# Altium PCB IOT.PcbDoc
Units mil, origin at the board's own origin, x right, y up, seen from the top; angles counter-clockwise.
Board outline 2865.03 x 2170.03 mil, 2 copper layers (Top Layer, Bottom Layer); 76 components, 25 nets, 392 pads, 76 vias.
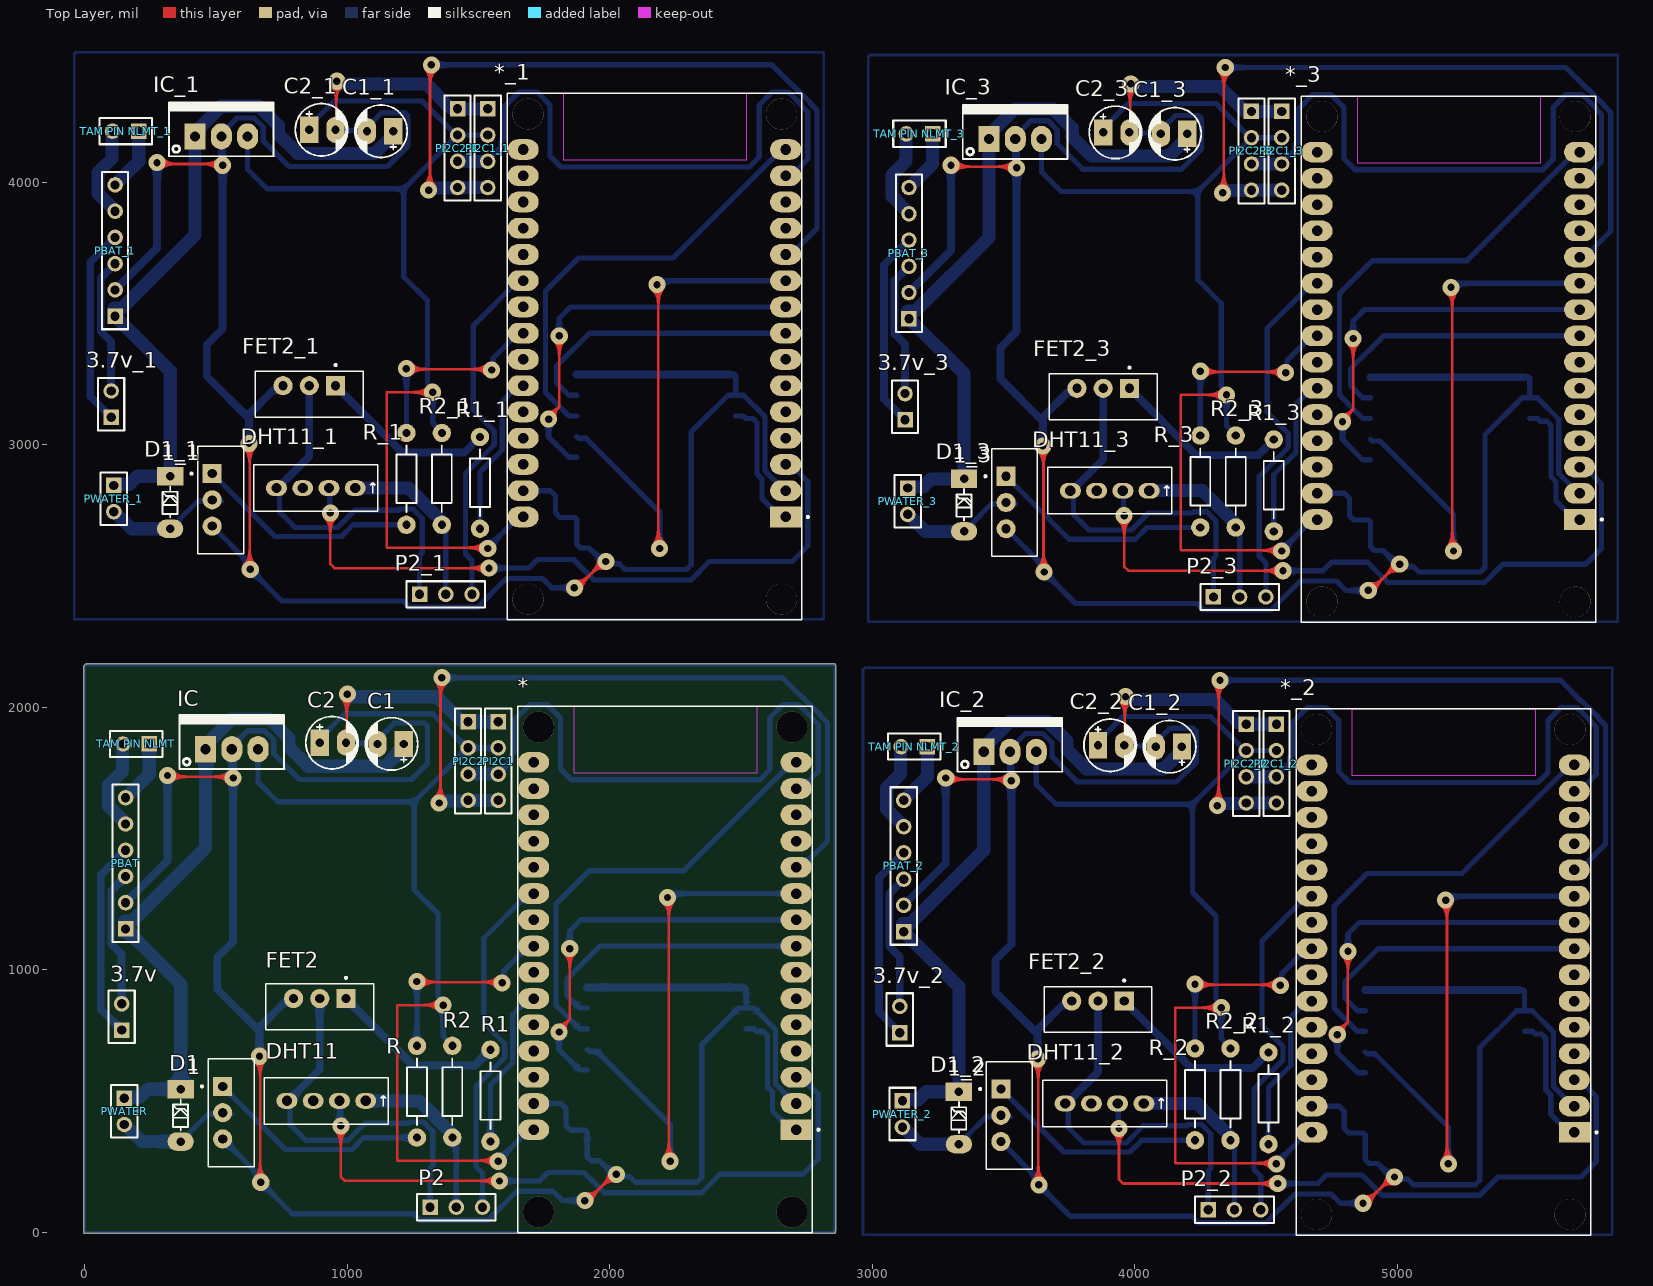
[diagram p0: Top Layer view]
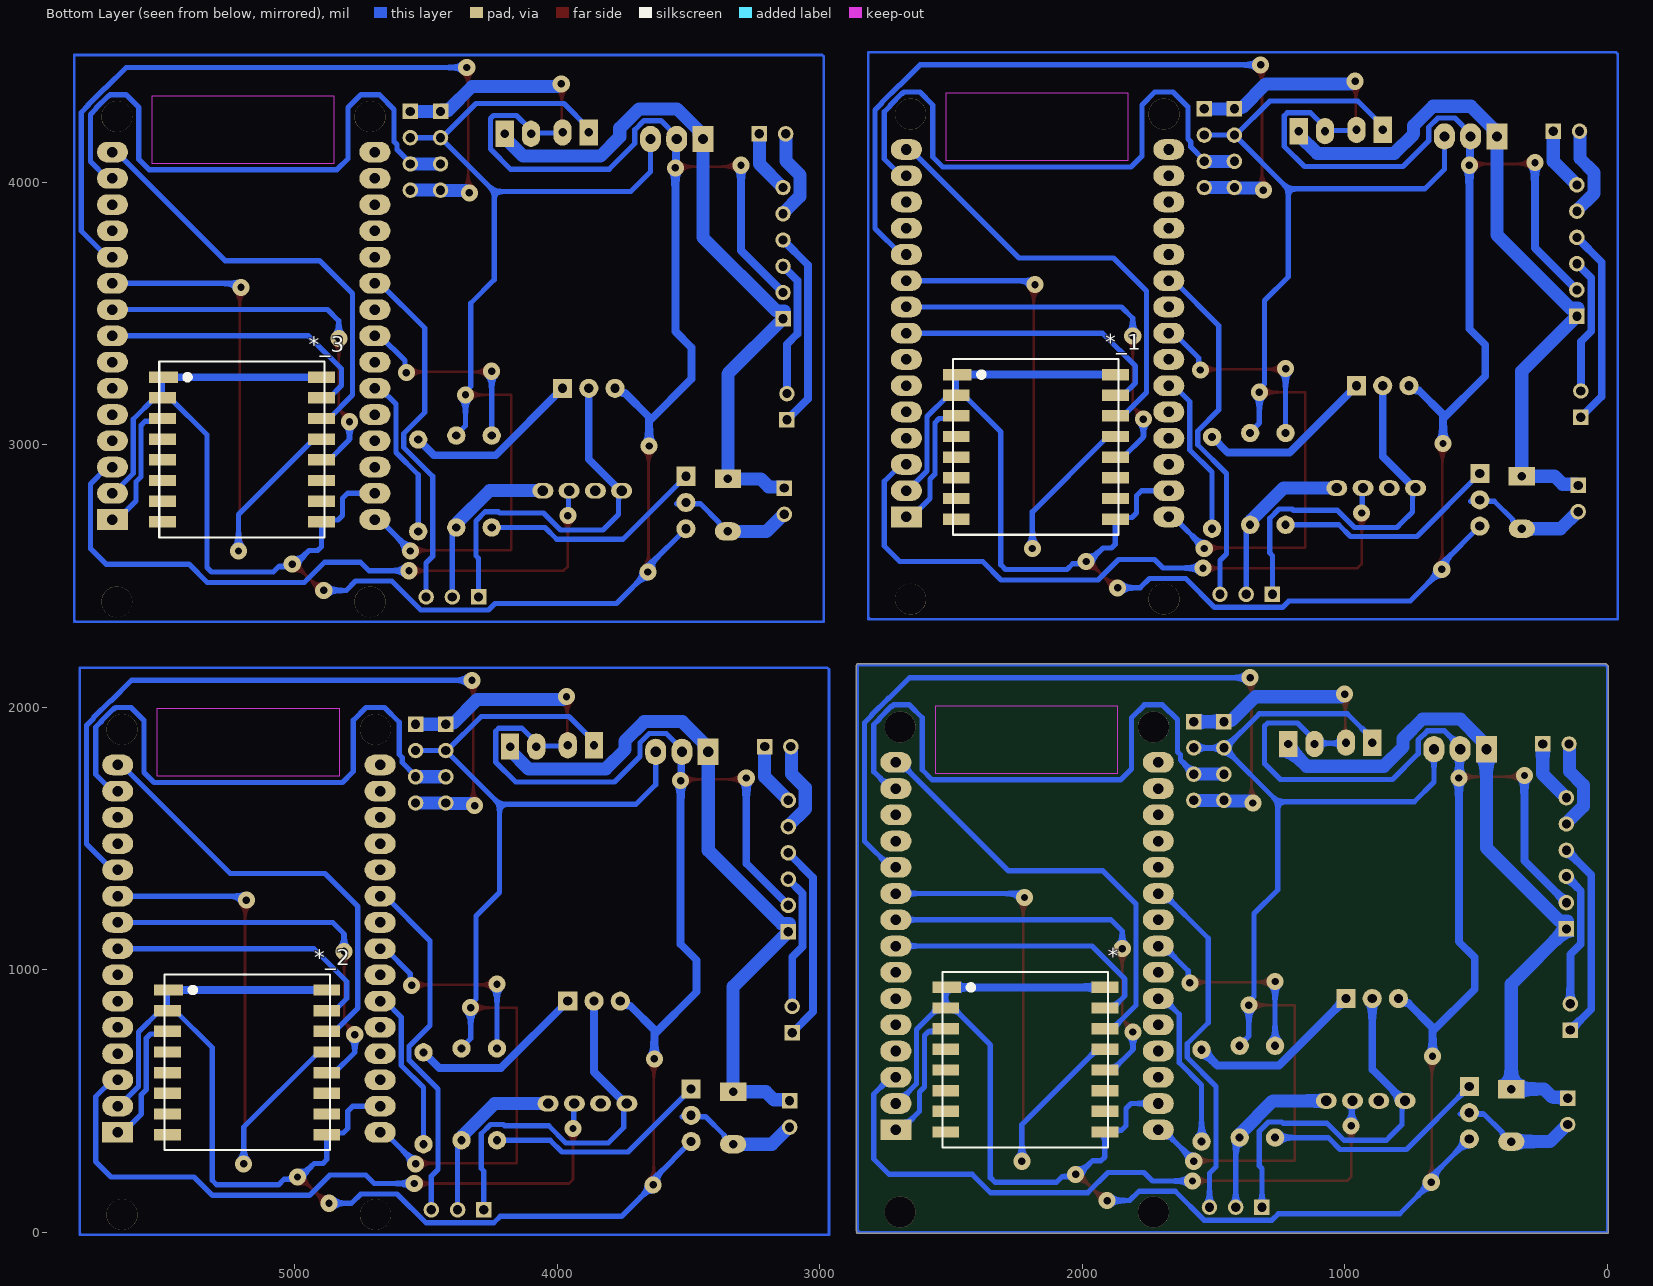
[diagram p1: Bottom Layer view, seen from below]

## Layer stack, top to bottom
Top Solder: solder mask 0.4, Solder Resist, Dk 3.5
Top Layer: signal copper 1.4
Dielectric 1: dielectric 12.6, FR-4, Dk 4.8
Bottom Layer: signal copper 1.4
Bottom Solder: solder mask 0.4, Solder Resist, Dk 3.5

## Board outline
-5.02,0 -5.02,2154.14 cw(c0,2154.14) -3.53,2157.71 2.31,2163.55 cw(c5.85,2160.03) 5.86,2165.01 2855,2165.01 cw(c2855,2160) 2860.02,2160 2860.02,5.86 cw(c2855,5.86) 2859.07,2.93 cw(c2855,0) 2860.02,0 cw(c2855,0) 2855,-5.02 0,-5.02 cw(c0,0)

## Design rules (kind name [scope] priority, off if disabled: settings)
Clearance [All] p1: gap=10 ignorepadtopadclearanceinfootprint=FALSE
PolygonConnect [All] p1: connectstyle=Relief reliefconductorwidth=10 reliefentries=4 polygonreliefangle="90 Angle" airgapwidth=10
RoutingVias [All] p1: holewidth=28 width=50 viastyle="Through Hole" minholewidth=28 minwidth=50 maxholewidth=28 maxwidth=50
SolderMaskExpansion [All] p1: expansion=4 istentingtop=FALSE
Width [All] p1: maxlimit=50 minlimit=10 preferedwidth=20 toplayer_maxwidth=10 toplayer_prefwidth=10 minimp=50.000000 maximp=50.000000 favimp=50.000000
30 further rules are at their usual default settings.

## Classes and differential pairs
component class BOPHATTINHIEU: 1 3.7v * C1 C2 D1 DHT11 FET2 IC P2 PBAT PI2C1 PI2C2 PWATER R R1 R2 "TAM PIN NLMT"

## Components (designator, comment, footprint, x,y, rotation, side; value= is the part's Value field where it differs from the comment)
1 "IRF3205" IRF3205 550,550 r270 top
1_1 "IRF3205" IRF3205 510,2885 r270 top (schematic designator 1)
1_2 "IRF3205" IRF3205 3515,540 r270 top (schematic designator 1)
1_3 "IRF3205" IRF3205 3535,2875 r270 top (schematic designator 1)
3.7v "Header 2" HDR1X2 140,770 r90 top
3.7v_1 "Header 2" HDR1X2 100,3105 r90 top (schematic designator 3.7v)
3.7v_2 "Header 2" HDR1X2 3105,760 r90 top (schematic designator 3.7v)
3.7v_3 "Header 2" HDR1X2 3125,3095 r90 top (schematic designator 3.7v)
* "ESP32 30PIN" "ESP32 30P" 536.11,1994.5 r180 top
* "LORA" "LORA RA-02" 2115.46,660.01 r180 bottom
*_1 "LORA" "LORA RA-02" 2075.46,2995.01 r180 bottom (schematic designator *)
*_1 "ESP32 30PIN" "ESP32 30P" 496.11,4329.5 r180 top (schematic designator *)
*_2 "LORA" "LORA RA-02" 5080.46,650.01 r180 bottom (schematic designator *)
*_2 "ESP32 30PIN" "ESP32 30P" 3501.11,1984.5 r180 top (schematic designator *)
*_3 "LORA" "LORA RA-02" 5100.46,2985.01 r180 bottom (schematic designator *)
*_3 "ESP32 30PIN" "ESP32 30P" 3521.11,4319.5 r180 top (schematic designator *)
C1 "10uF" CP1/2 1215,1860 r180 top value=10uF/50V
C1_1 "10uF" CP1/2 1175,4195 r180 top value=10uF/50V (schematic designator C1)
C1_2 "10uF" CP1/2 4180,1850 r180 top value=10uF/50V (schematic designator C1)
C1_3 "10uF" CP1/2 4200,4185 r180 top value=10uF/50V (schematic designator C1)
C2 "10uF" CP1/2 895,1865 r0 top value=10uF/50V
C2_1 "10uF" CP1/2 855,4200 r0 top value=10uF/50V (schematic designator C2)
C2_2 "10uF" CP1/2 3860,1855 r0 top value=10uF/50V (schematic designator C2)
C2_3 "10uF" CP1/2 3880,4190 r0 top value=10uF/50V (schematic designator C2)
D1 "3V3" DZ0.5A 365,345 r270 top value=3v3
D1_1 "3V3" DZ0.5A 325,2680 r270 top value=3v3 (schematic designator D1)
D1_2 "3V3" DZ0.5A 3330,335 r270 top value=3v3 (schematic designator D1)
D1_3 "3V3" DZ0.5A 3350,2670 r270 top value=3v3 (schematic designator D1)
DHT11 "csa" DHT11 896.12,505.72 r180 top
DHT11_1 "csa" DHT11 856.12,2840.72 r180 top (schematic designator DHT11)
DHT11_2 "csa" DHT11 3861.12,495.72 r180 top (schematic designator DHT11)
DHT11_3 "csa" DHT11 3881.12,2830.72 r180 top (schematic designator DHT11)
FET2 "IRF3205" IRF3205 990,865 r180 top
FET2_1 "IRF3205" IRF3205 950,3200 r180 top (schematic designator FET2)
FET2_2 "IRF3205" IRF3205 3955,855 r180 top (schematic designator FET2)
FET2_3 "IRF3205" IRF3205 3975,3190 r180 top (schematic designator FET2)
IC "LM7805" QTO-220 460,1840 r0 top
IC_1 "LM7805" QTO-220 420,4175 r0 top (schematic designator IC)
IC_2 "LM7805" QTO-220 3425,1830 r0 top (schematic designator IC)
IC_3 "LM7805" QTO-220 3445,4165 r0 top (schematic designator IC)
P2 "Header 3" HDR1X3 1315,95 r0 top
P2_1 "Header 3" HDR1X3 1275,2430 r0 top (schematic designator P2)
P2_2 "Header 3" HDR1X3 4280,85 r0 top (schematic designator P2)
P2_3 "Header 3" HDR1X3 4300,2420 r0 top (schematic designator P2)
PBAT "Header 6" HDR1X6 155,1155 r90 top
PBAT_1 "Header 6" HDR1X6 115,3490 r90 top (schematic designator PBAT)
PBAT_2 "Header 6" HDR1X6 3120,1145 r90 top (schematic designator PBAT)
PBAT_3 "Header 6" HDR1X6 3140,3480 r90 top (schematic designator PBAT)
PI2C1 "Header 4" HDR1X4 1575,1945 r270 top
PI2C1_1 "Header 4" HDR1X4 1535,4280 r270 top (schematic designator PI2C1)
PI2C1_2 "Header 4" HDR1X4 4540,1935 r270 top (schematic designator PI2C1)
PI2C1_3 "Header 4" HDR1X4 4560,4270 r270 top (schematic designator PI2C1)
PI2C2 "Header 4" HDR1X4 1460,1945 r270 top
PI2C2_1 "Header 4" HDR1X4 1420,4280 r270 top (schematic designator PI2C2)
PI2C2_2 "Header 4" HDR1X4 4425,1935 r270 top (schematic designator PI2C2)
PI2C2_3 "Header 4" HDR1X4 4445,4270 r270 top (schematic designator PI2C2)
PWATER "Header 2" HDR1X2 150,510 r270 top
PWATER_1 "Header 2" HDR1X2 110,2845 r270 top (schematic designator PWATER)
PWATER_2 "Header 2" HDR1X2 3115,500 r270 top (schematic designator PWATER)
PWATER_3 "Header 2" HDR1X2 3135,2835 r270 top (schematic designator PWATER)
R "330" R1/4W 1265,360 r90 top value="R1/4W - 1K"
R1 "1k" R1/4W 1545,345 r90 top value="R1/4W - 1K"
R1_1 "1k" R1/4W 1505,2680 r90 top value="R1/4W - 1K" (schematic designator R1)
R1_2 "1k" R1/4W 4510,335 r90 top value="R1/4W - 1K" (schematic designator R1)
R1_3 "1k" R1/4W 4530,2670 r90 top value="R1/4W - 1K" (schematic designator R1)
R2 "1k" R1/4W 1400,360 r90 top value="R1/4W - 1K"
R2_1 "1k" R1/4W 1360,2695 r90 top value="R1/4W - 1K" (schematic designator R2)
R2_2 "1k" R1/4W 4365,350 r90 top value="R1/4W - 1K" (schematic designator R2)
R2_3 "1k" R1/4W 4385,2685 r90 top value="R1/4W - 1K" (schematic designator R2)
R_1 "330" R1/4W 1225,2695 r90 top value="R1/4W - 1K" (schematic designator R)
R_2 "330" R1/4W 4230,350 r90 top value="R1/4W - 1K" (schematic designator R)
R_3 "330" R1/4W 4250,2685 r90 top value="R1/4W - 1K" (schematic designator R)
"TAM PIN NLMT" "Header 2" HDR1X2 245,1860 r180 top
"TAM PIN NLMT_1" "Header 2" HDR1X2 205,4195 r180 top (schematic designator "TAM PIN NLMT")
"TAM PIN NLMT_2" "Header 2" HDR1X2 3210,1850 r180 top (schematic designator "TAM PIN NLMT")
"TAM PIN NLMT_3" "Header 2" HDR1X2 3230,4185 r180 top (schematic designator "TAM PIN NLMT")

## Footprints (in the part's own frame and the unit in brackets; to place one, negate y for a bottom-side part, rotate by r counter-clockwise, add the part's x,y. Pads: shape width x height; smd on the part's side, far side on the other; paste and mask are expansions set on the pad)
CP1/2 [mil] "Tu hoa < 22uF/16>50V"
  rect 70x100 hole 32: 1(0,0)
  oval 70x100 hole 32: 2(100,0)
  silkscreen extent -53,-100 147,100, body extent -54,-99 144,100, height 296
DHT11 [mil] "5V"
  oval 80x60 hole 39.37: P$1(-173.88,5.72) P$2(-73.88,5.72) P$3(26.12,5.72) P$4(126.12,5.72)
  silkscreen extent -260,-83 212,94, body extent -275,-125 217,111, height 630
DZ0.5A [mil] "Diode Zenner, W 80mil, L 300mil"
  oval 70x100 hole 32: 1(0,0)
  rect 70x100 hole 32: 2(-200,0)
  silkscreen extent -161,-29 -42,28
"ESP32 30P" [mm] "30Pin"
  rect 3x2 hole 1.02: 1(-55.217,40.754)
  oval 3x2 hole 1.02: 2(-55.217,38.214) 3(-55.217,35.674) 4(-55.217,33.134) 5(-55.217,30.594) 6(-55.217,28.054) 7(-55.217,25.514) 8(-55.217,22.974) 9(-55.217,20.434) 10(-55.217,17.894) 11(-55.217,15.354) 12(-55.217,12.814) 13(-55.217,10.274) 14(-55.217,7.734) 15(-55.217,5.194) 16(-29.817,5.194) 17(-29.817,7.734) 18(-29.817,10.274) 19(-29.817,12.814) 20(-29.817,15.354) 21(-29.817,17.894) 22(-29.817,20.434) 23(-29.817,22.974) 24(-29.817,25.514) 25(-29.817,28.054) 26(-29.817,30.594) 27(-29.817,33.134) 28(-29.817,35.674) 29(-29.817,38.214) 30(-29.817,40.754)
  round 3 hole 3 unplated: ""(-54.797,48.714) ""(-54.797,1.764) ""(-30.287,48.714) ""(-30.287,1.764)
  Keep-Out Layer region: -33.737,-0.236 -51.427,-0.236 -51.427,6.254 -33.737,6.254
  Keep-Out Layer region: -33.737,-0.236 -51.427,-0.236 -51.427,6.254 -33.737,6.254
  silkscreen extent -57.47,-0.24 -28.29,50.71, body extent -56.62,-0.91 -28.42,51.54, height 7.05
HDR1X2 [mm] "Connector; Header; 2 Position"
  rect 1.5x1.5 hole 0.9: 1(0,0)
  round 1.5 hole 0.9: 2(2.54,0)
  silkscreen extent -1.27,-1.27 3.81,1.27, body extent -1.27,-1.27 3.81,1.27, height 7
HDR1X3 [mm] "Connector; Header; 3 Position"
  rect 1.5x1.5 hole 0.9: 1(0,0)
  round 1.5 hole 0.9: 2(2.54,0) 3(5.08,0)
  silkscreen extent -1.27,-1.27 6.35,1.27, body extent -1.27,-1.27 6.35,1.27, height 7
HDR1X4 [mm] "Connector; Header; 4 Position"
  rect 1.5x1.5 hole 0.9: 1(0,0)
  round 1.5 hole 0.9: 2(2.54,0) 3(5.08,0) 4(7.62,0)
  silkscreen extent -1.27,-1.27 8.89,1.27, body extent -1.27,-1.27 8.89,1.27, height 7
HDR1X6 [mm] "Connector; Header; 6 Position"
  rect 1.5x1.5 hole 0.9: 1(0,0)
  round 1.5 hole 0.9: 2(2.54,0) 3(5.08,0) 4(7.62,0) 5(10.16,0) 6(12.7,0)
  silkscreen extent -1.27,-1.27 13.97,1.27, body extent -1.27,-1.27 13.97,1.27, height 7
IRF3205 [mil]
  rect 72.83x72.83 / inner round 72.83 / far side rect 72.83x72.83 hole 35: 1(-5,-25)
  round 72.83 hole 35: 2(95,-25) 3(195,-25)
  silkscreen extent -110,-108 300,94, body extent -110,-80 300,95, height 760
"LORA RA-02" [mm] "RA-02"
  rect 2.8x1.1 smd: 1(-10.175,6.92)
  rect 2.6x1.1 smd: 2(-10.275,4.92) 3(-10.275,2.92) 4(-10.275,0.92) 5(-10.275,-1.08) 6(-10.275,-3.08) 7(-10.275,-5.08) 8(-10.275,-7.08) 9(5.125,-7.08) 10(5.125,-5.08) 11(5.125,-3.08) 12(5.125,-1.08) 13(5.125,0.92) 14(5.125,2.92) 15(5.125,4.92) 16(5.125,6.92)
  silkscreen extent -10.58,-8.58 5.42,8.42, body extent -10.2,-8.58 5.8,8.42, height 3.03
QTO-220 [mil] "TO-220 - 1-2-3"
  rect 80x100 hole 39: 1(0,0)
  oval 80x100 hole 39: 2(100,0) 3(200,0)
  silkscreen extent -100,-76 300,130, body extent -119,-64 322,121, height 905
R1/4W [mil] "R 1/4W, 2 Pin, 350mil"
  round 70 hole 31: 1(0,0) 2(350,0)
  silkscreen extent 48,-38 302,38, body extent -40,-47 386,47, height 111

## Part data
3.7v 3.7v_1 3.7v_2 3.7v_3 PWATER PWATER_1 PWATER_2 PWATER_3 "TAM PIN NLMT" "TAM PIN NLMT_1" "TAM PIN NLMT_2" "TAM PIN NLMT_3": "Header, 2-Pin", LatestRevisionDate=17-Jul-2002, LatestRevisionNote="Re-released for DXP Platform.", Publisher="Altium Limited"
* *_1 *_2 *_3: "433MHz"
C1 C1_1 C1_2 C1_3 C2 C2_1 C2_2 C2_3: library part CP0, "Cap P  0,1uF < 22uF , 16 - 50V", Description 1="10 => 220uF/6,3V/10V - 10uF => 100uF/16V", Description 2="0,1uF => 33uF/50V - 10uF => 22uF/63V", Description 3="0,47uF => 10uF/100V"
D1 D1_1 D1_2 D1_3: library part DZ, "Diode Zenner"
DHT11 DHT11_1 DHT11_2 DHT11_3: library part DHT11
IC IC_1 IC_2 IC_3: library part LM78xx, "On ap +, from + 5 to + 24VDC"
P2 P2_1 P2_2 P2_3: "Header, 3-Pin", LatestRevisionDate=17-Jul-2002, LatestRevisionNote="Re-released for DXP Platform.", Publisher="Altium Limited"
PBAT PBAT_1 PBAT_2 PBAT_3: "Header, 6-Pin", LatestRevisionDate=17-Jul-2002, LatestRevisionNote="Re-released for DXP Platform.", Publisher="Altium Limited"
PI2C1 PI2C1_1 PI2C1_2 PI2C1_3 PI2C2 PI2C2_1 PI2C2_2 PI2C2_3: "Header, 4-Pin", LatestRevisionDate=17-Jul-2002, LatestRevisionNote="Re-released for DXP Platform.", Publisher="Altium Limited"
R R_1 R_2 R_3: library part RES, "Resistor 1/4W"
R1 R1_1 R1_2 R1_3 R2 R2_1 R2_2 R2_3: library part R, "Resistor 1/4W"

## Via types
v1: diameter 65, hole 28, Top Layer to Bottom Layer, 76 vias

## Nets (pads, with @x,y where several pads share a name; then routed paths per layer and width w, separated by ;. In a path a pad name is that pad's centre, name@x,y a point inside that pad or via, vN(x,y) a via of type N, cw(c..) or ccw(c..) an arc to the next point about the centre after c; other vN are vias at no path point)
5V: *.30 C2.1 IC.3 PI2C1.2 PI2C2.2 R2.2 | length 4155.9
  Top Layer w10: v1(1365,865) 1190,865 1190,275 1192.5,272.5 1572.5,272.5 v1(1575,270)
  Bottom Layer w20: IC.3 660,1715 735,1640 1255,1640 ; C2.1 895,1880 990,1975 1325,1975 PI2C2.2@1457.5,1842.5 ; R2.2 1400,712.57 1365,747.57 1365,877.18 1345,897.18 1345,1214.06 1255,1304.06 1255,1640 ; v1(1575,270) 1575,272.34 1692.66,390 *.30 ; PI2C1.2 PI2C2.2 1255,1640
12V: C1.1 D1.2 IC.1 PBAT.1 PWATER.1 | length 2677.2
  Bottom Layer w50: PWATER.1 154.53,514.53 209.53,514.53 240,545 D1.2 365,945 PBAT.1 ; 150.47,1185 180.46,1185 460,1464.54 IC.1 475,1855 475,1871.07 558.93,1955 703.49,1955 777,1881.49 777,1848.51 850.5,1775 1145,1775 1215,1845 C1.1
D2: *.5@2520,617.48
D5: *.8@2710,1090 *.15@1913.7,853.7 | length 1084.1
  Bottom Layer w20: *.15@1913.7,853.7 1884.17,853.7 1837.52,900.35 1837.52,964.45 1963.07,1090 *.8@2710,1090
D14: *.4@2520,696.22
D15: *.3@2710,590 DHT11.P$2 | length 2573.2
  Top Layer w10: v1(975,405) 975,210.86 990.86,195 v1(1580,195)
  Bottom Layer w20: DHT11.P$2 972.5,497.5 972.5,407.5 v1(975,405) ; v1(1580,195) 1732.28,195 1764.85,227.57 1901.72,227.57 1979.29,150 2348.99,150 2418.99,220 2735,220 2794.06,279.06 2794.06,525.63 2729.69,590 *.3@2710,590
D18: *.9@2710,1190 *.12@1913.7,617.48 | length 1488.3
  Top Layer w10: v1(1806.82,762.57) 1806.82,769.44 1847.5,810.12 v1(1847.5,1080)
  Bottom Layer w20: v1(1806.82,762.57) 1806.82,694.83 1884.17,617.48 *.12@1913.7,617.48 ; v1(1847.5,1080) 1847.5,1147.09 1890.41,1190 *.9@2710,1190
D19: *.10@2710,1290 *.13@1913.7,696.22 | length 2079.9
  Top Layer w10: v1(2220,1275) 2225,1270 2225,275 v1(2230,270)
  Bottom Layer w20: *.13@1913.7,696.22 1920.35,689.57 1949.88,689.57 2230,409.45 v1(2230,270) ; v1(2220,1275) 2225.41,1275 2240.41,1290 *.10@2710,1290
D23: *.14@1913.7,774.96 *.15@2710,1790 | length 1680.6
  Bottom Layer w20: *.14@1913.7,774.96 1884.17,774.96 1795,864.13 1795,1250.71 1920.81,1376.52 2280.96,1376.52 2694.44,1790 *.15@2710,1790
D27: *.25 R1.1 | length 624.9
  Bottom Layer w20: R1.1 1545,560.65 1630,645.65 1630,829.68 1690.31,890 *.25
D32: *.21 P2.3 | length 1374.3
  Bottom Layer w20: P2.3 1515,224.18 1490,249.18 1490,555.15 1600,665.15 1600,717.78 1520,797.78 1520,1119.68 1690.31,1290 *.21
GND: 1.3 *.1@2516.06,932.44 *.2 *.9@1913.7,381.26 *.16@1913.7,932.44 *.29 C1.2 C2.2 FET2.3 IC.2 PBAT.2 PI2C1.1 PI2C2.1 | length 9439
  Top Layer w10: v1(315,1740) 320,1735 560,1735 v1(565,1730) ; v1(665,670) 667.5,667.5 667.5,192.5 v1(670,190) ; C2.2 997.5,1867.5 997.5,2047.5 v1(1000,2050) ; v1(1905,120) 1915,120 2015,220 v1(2025,220)
  Bottom Layer w20: 1.3 661.39,218.61 661.39,198.61 790,70 1252.66,70 1277.19,45.47 1535.52,45.47 1645.71,155.67 1783.49,155.67 1819.15,120 v1(1905,120) ; IC.2 560,1850 620,1910 684.85,1910 720,1874.85 720,1822.43 817.43,1725 1245,1725 1290,1770 1305,1785 1305,1928.28 1293.28,1940 1180,1940 1115,1875 C1.2 ; C2.2 997.5,1862.5 C1.2@1107.5,1862.5 ; *.29 1814.06,490 1833.11,470.95 1833.11,405.49 1850.68,387.91 1907.05,387.91 1913.7,381.26 1913.7,286.3 1928.11,271.89 1960.93,271.89 2012.82,220 v1(2025,220) 2033.61,211.39 2076.11,211.39 2097.5,190 2332.43,190 2350,207.57 2350,713.23 2490.47,853.7 *.2@2520,853.7 ; *.1@2500,932.44 2516.06,932.44 2520,928.5 *.2@2520,853.7 ; *.2@2710,490 2706.21,490 2650,546.21 2650,546.35 2630.94,565.41 2630.94,772.28 2549.53,853.7 *.2@2520,853.7
  Bottom Layer w30: PBAT.2 315,1415 v1(315,1740) ; IC.2 562.5,1837.5 562.5,1732.5 v1(565,1730) 565,1106.82 504.1,1045.93 504.1,925.9 665,765 ; v1(665,670) 665,780 757.43,872.43 765.84,872.43 783.41,890 FET2.3 ; *.16@1913.7,932.44 *.1@2500,932.44
  Bottom Layer w50: v1(1000,2050) 1004.06,2050 1014.06,2040 1340,2040 1430.47,1949.53 1455.47,1949.53 PI2C2.1 PI2C1.1
IN: *.23 R.2 | length 773.3
  Top Layer w10: v1(1265,955) 1267.5,952.5 1587.5,952.5 v1(1590,950)
  Bottom Layer w20: R.2 v1(1265,955) ; v1(1590,950) 1595.74,955.74 1595.74,995.43 1690.31,1090 *.23
Net1_1: 1.1 R.1 | length 858.1
  Bottom Layer w20: 1.1 765,315 1017.28,315 1062.28,360 R.1
Net1_2: 1.2 D1.1 PWATER.2 | length 482.9
  Bottom Layer w20: D1.1 369.18,345 399.07,374.89 399.07,379.07 470,450 1.2@560,450
  Bottom Layer w50: PWATER.2 152.45,410 217.45,345 D1.1
Net3.7v_1: 3.7v.1 PBAT.4 | length 757.1
  Bottom Layer w30: 3.7v.1 60.47,849.53 60.47,1360.47 PBAT.4
Net3.7v_2: 3.7v.2 PBAT.3 | length 524
  Bottom Layer w30: 3.7v.2 140,1057.96 100.47,1097.49 100.47,1300.47 PBAT.3
Net*_1: *.1@2710,390 *.3@2520,774.96 | length 507.4
  Bottom Layer w20: *.3@2520,774.96 2549.53,774.96 2559.64,764.85 2585.15,764.85 2600.94,749.06 2600.94,552.98 2620,533.93 2620,460.32 2690.31,390 *.1@2710,390
NetDHT11_P$1: DHT11.P$1 P2.2 R2.1 | length 635.1
  Bottom Layer w20: P2.2 R2.1@1415,334.18
  Bottom Layer w50: DHT11.P$1 1273.49,500 1396.17,377.32 1396.17,363.83 R2.1
NetDHT11_P$4: DHT11.P$4 FET2.2 P2.1 | length 1445.8
  Bottom Layer w20: DHT11.P$4 780.74,489.26 780.74,468.07 781.38,467.43 781.38,409.36 823.17,367.57 840.74,350 1002.78,350 1067.78,415 1235.15,415 1240.15,420 1289.85,420 1325,384.85 1325,252.19 1315,242.19 P2.1
  Bottom Layer w30: DHT11.P$4 775,500 895,620 FET2.2
NetFET2_1: FET2.1 R1.2 | length 680.5
  Bottom Layer w30: FET2.1 1250,635 1485,635 R1.2
NetPBAT_5: "TAM PIN NLMT.2" PBAT.5 | length 354.3
  Bottom Layer w50: 145,1860 143.27,1858.27 143.27,1755.82 90.47,1703.02 90.47,1621.98 155,1557.45 PBAT.5
NetPBAT_6: "TAM PIN NLMT.1" PBAT.6 | length 242.3
  Bottom Layer w50: PBAT.6 245,1745 245,1860
SCL: *.14@2710,1690 PI2C1.3 PI2C2.3 | length 2318.7
  Bottom Layer w20: PI2C1.3 1575,1748.51 1625.94,1799.45 1625.94,1818.83 1637.12,1830.01 1637.12,1952.53 1693.69,2009.09 1763.32,2009.09 1812.56,1959.86 1812.56,1764.68 1853.98,1723.27 2571.14,1723.27 2609.41,1761.53 2609.41,1959.86 2658.65,2009.09 2718.48,2009.09 2723.48,2004.09 2726.21,2004.09 2772.52,1957.78 2772.52,1955.05 2794.06,1933.52 2794.06,1754.37 2729.69,1690 *.14@2710,1690
  Bottom Layer w50: PI2C2.3 PI2C1.3
SDA: *.11@2710,1390 PI2C1.4 PI2C2.4 | length 2864.3
  Top Layer w10: v1(1350,1635) 1355,1640 1355,2107.5 v1(1360,2112.5)
  Bottom Layer w20: v1(1360,2112.5) 2657.5,2112.5 2735.91,2034.09 2738.64,2034.09 2802.52,1970.21 2802.52,1967.48 2829.06,1940.94 2829.06,1489.37 2729.69,1390 *.11@2710,1390
  Bottom Layer w50: v1(1350,1635) 1354.06,1635 1362.33,1643.27 1458.27,1643.27 PI2C2.4 PI2C1.4
pads on no net: 1_1.1 1_1.2 1_1.3 1_2.1 1_2.2 1_2.3 1_3.1 1_3.2 1_3.3 3.7v_1.1 3.7v_1.2 3.7v_2.1 3.7v_2.2 3.7v_3.1 3.7v_3.2 "TAM PIN NLMT_1.1" "TAM PIN NLMT_1.2" "TAM PIN NLMT_2.1" "TAM PIN NLMT_2.2" "TAM PIN NLMT_3.1" "TAM PIN NLMT_3.2" *. *.4@2710,690 *.5@2710,790 *.6 *.7 *.8@2520,381.26 *.10@1913.7,460 *.11@1913.7,538.74 *.12@2710,1490 *.13@2710,1590 *.16@1710,1790 *.17 *.18 *.19 *.20 *.22 *.24 *.26 *.27 *.28 *_1. *_1.1 *_1.2 *_1.3 *_1.4 *_1.5 *_1.6 *_1.7 *_1.8 *_1.9 *_1.10 *_1.11 *_1.12 *_1.13 *_1.14 *_1.15 *_1.16 *_1.17 *_1.18 *_1.19 *_1.20 *_1.21 *_1.22 *_1.23 *_1.24 *_1.25 *_1.26 *_1.27 *_1.28 *_1.29 *_1.30 *_2. *_2.1 *_2.2 *_2.3 *_2.4 *_2.5 *_2.6 *_2.7 *_2.8 *_2.9 *_2.10 *_2.11 *_2.12 *_2.13 *_2.14 *_2.15 *_2.16 *_2.17 *_2.18 *_2.19 *_2.20 *_2.21 *_2.22 *_2.23 *_2.24 *_2.25 *_2.26 *_2.27 *_2.28 *_2.29 *_2.30 *_3. *_3.1 *_3.2 *_3.3 *_3.4 *_3.5 *_3.6 *_3.7 *_3.8 *_3.9 *_3.10 *_3.11 *_3.12 *_3.13 *_3.14 *_3.15 *_3.16 *_3.17 *_3.18 *_3.19 *_3.20 *_3.21 *_3.22 *_3.23 *_3.24 *_3.25 *_3.26 *_3.27 *_3.28 *_3.29 *_3.30 C1_1.1 C1_1.2 C1_2.1 C1_2.2 C1_3.1 C1_3.2 C2_1.1 C2_1.2 C2_2.1 C2_2.2 C2_3.1 C2_3.2 D1_1.1 D1_1.2 D1_2.1 D1_2.2 D1_3.1 D1_3.2 DHT11.P$3 DHT11_1.P$1 DHT11_1.P$2 DHT11_1.P$3 DHT11_1.P$4 DHT11_2.P$1 DHT11_2.P$2 DHT11_2.P$3 DHT11_2.P$4 DHT11_3.P$1 DHT11_3.P$2 DHT11_3.P$3 DHT11_3.P$4 FET2_1.1 FET2_1.2 FET2_1.3 FET2_2.1 FET2_2.2 FET2_2.3 FET2_3.1 FET2_3.2 FET2_3.3 IC_1.1 IC_1.2 IC_1.3 IC_2.1 IC_2.2 IC_2.3 IC_3.1 IC_3.2 IC_3.3 P2_1.1 P2_1.2 P2_1.3 P2_2.1 P2_2.2 P2_2.3 P2_3.1 P2_3.2 P2_3.3 PBAT_1.1 PBAT_1.2 PBAT_1.3 PBAT_1.4 PBAT_1.5 PBAT_1.6 PBAT_2.1 PBAT_2.2 PBAT_2.3 PBAT_2.4 PBAT_2.5 PBAT_2.6 PBAT_3.1 PBAT_3.2 PBAT_3.3 PBAT_3.4 PBAT_3.5 PBAT_3.6 PI2C1_1.1 PI2C1_1.2 PI2C1_1.3 PI2C1_1.4 PI2C1_2.1 PI2C1_2.2 PI2C1_2.3 PI2C1_2.4 PI2C1_3.1 PI2C1_3.2 PI2C1_3.3 PI2C1_3.4 PI2C2_1.1 PI2C2_1.2 PI2C2_1.3 PI2C2_1.4 PI2C2_2.1 PI2C2_2.2 PI2C2_2.3 PI2C2_2.4 PI2C2_3.1 PI2C2_3.2 PI2C2_3.3 PI2C2_3.4 PWATER_1.1 PWATER_1.2 PWATER_2.1 PWATER_2.2 PWATER_3.1 PWATER_3.2 R1_1.1 R1_1.2 R1_2.1 R1_2.2 R1_3.1 R1_3.2 R2_1.1 R2_1.2 R2_2.1 R2_2.2 R2_3.1 R2_3.2 R_1.1 R_1.2 R_2.1 R_2.2 R_3.1 R_3.2
copper on no net: | length 158713.5
  Top Layer w10: v1(275,4075) 280,4070 520,4070 v1(525,4065) ; v1(625,3005) 627.5,3002.5 627.5,2527.5 v1(630,2525) ; v1(935,2740) 935,2545.86 950.86,2530 v1(1540,2530) ; 955,4200 957.5,4202.5 957.5,4382.5 v1(960,4385) ; v1(1225,3290) 1227.5,3287.5 1547.5,3287.5 v1(1550,3285) ; v1(1310,3970) 1315,3975 1315,4442.5 v1(1320,4447.5) ; v1(1325,3200) 1150,3200 1150,2610 1152.5,2607.5 1532.5,2607.5 v1(1535,2605) ; v1(1766.82,3097.57) 1766.82,3104.44 1807.5,3145.12 v1(1807.5,3415) ; v1(1865,2455) 1875,2455 1975,2555 v1(1985,2555) ; v1(2180,3610) 2185,3605 2185,2610 v1(2190,2605) ; v1(3280,1730) 3285,1725 3525,1725 v1(3530,1720) ; v1(3300,4065) 3305,4060 3545,4060 v1(3550,4055) ; v1(3630,660) 3632.5,657.5 3632.5,182.5 v1(3635,180) ; v1(3650,2995) 3652.5,2992.5 3652.5,2517.5 v1(3655,2515) ; v1(3940,395) 3940,200.86 3955.86,185 v1(4545,185) ; 3960,1855 3962.5,1857.5 3962.5,2037.5 v1(3965,2040) ; v1(3960,2730) 3960,2535.86 3975.86,2520 v1(4565,2520) ; 3980,4190 3982.5,4192.5 3982.5,4372.5 v1(3985,4375) ; v1(4230,945) 4232.5,942.5 4552.5,942.5 v1(4555,940) ; v1(4250,3280) 4252.5,3277.5 4572.5,3277.5 v1(4575,3275) ; v1(4315,1625) 4320,1630 4320,2097.5 v1(4325,2102.5) ; v1(4330,855) 4155,855 4155,265 4157.5,262.5 4537.5,262.5 v1(4540,260) ; v1(4335,3960) 4340,3965 4340,4432.5 v1(4345,4437.5) ; v1(4350,3190) 4175,3190 4175,2600 4177.5,2597.5 4557.5,2597.5 v1(4560,2595) ; v1(4771.82,752.57) 4771.82,759.44 4812.5,800.12 v1(4812.5,1070) ; v1(4791.82,3087.57) 4791.82,3094.44 4832.5,3135.12 v1(4832.5,3405) ; v1(4870,110) 4880,110 4980,210 v1(4990,210) ; v1(4890,2445) 4900,2445 5000,2545 v1(5010,2545) ; v1(5185,1265) 5190,1260 5190,265 v1(5195,260) ; v1(5205,3600) 5210,3595 5210,2600 v1(5215,2595)
  Bottom Layer w10: -40,4156.75 -40,4489.14 -34.14,4495 -25,4495 5,4495 30,4495 55,4495 2815,4495 2815,2340.86 2812.07,2337.93 ; -40,4165 -40,2335 2809.14,2335 2815,2335 ; 0,1821.75 0,2154.14 5.86,2160 15,2160 45,2160 70,2160 95,2160 2855,2160 2855,5.86 2852.07,2.93 ; 0,1830 0,0 2849.14,0 2855,0 ; 2965,1811.75 2965,2144.14 2970.86,2150 2980,2150 3010,2150 3035,2150 3060,2150 5820,2150 5820,-4.14 5817.07,-7.07 ; 2965,1820 2965,-10 5814.14,-10 5820,-10 ; 2985,4146.75 2985,4479.14 2990.86,4485 3000,4485 3030,4485 3055,4485 3080,4485 5840,4485 5840,2330.86 5837.07,2327.93 ; 2985,4155 2985,2325 5834.14,2325 5840,2325
  Bottom Layer w20: 325,2680 329.18,2680 359.07,2709.89 359.07,2714.07 430,2785 520,2785 ; 485,2690 621.39,2553.61 621.39,2533.61 750,2405 1212.66,2405 1237.19,2380.47 1495.52,2380.47 1605.71,2490.67 1743.49,2490.67 1779.15,2455 v1(1865,2455) ; 485,2890 725,2650 977.28,2650 1022.28,2695 1225,2695 ; 520,4175 520,4185 580,4245 644.85,4245 680,4209.85 680,4157.43 777.43,4060 1153.28,4060 1230,4136.72 1230,4253.28 1218.28,4265 1130,4265 1075,4210 1075,4195 ; 620,4175 620,4050 695,3975 1215,3975 ; 730,2835 740.74,2824.26 740.74,2803.07 741.38,2802.43 741.38,2744.36 783.17,2702.57 800.74,2685 962.78,2685 1027.78,2750 1195.15,2750 1200.15,2755 1249.85,2755 1285,2719.85 1285,2587.19 1275,2577.19 1275,2430 ; 855,4200 855,4215 950,4310 1285,4310 1417.5,4177.5 ; 930,2835 932.5,2832.5 932.5,2742.5 v1(935,2740) ; 955,4200 957.5,4197.5 1067.5,4197.5 ; 1225,3045 v1(1225,3290) ; v1(1320,4447.5) 2617.5,4447.5 2695.91,4369.09 2698.64,4369.09 2762.52,4305.21 2762.52,4302.48 2789.06,4275.94 2789.06,3824.37 2689.69,3725 2670,3725 ; 1360,3045 1360,3047.57 1325,3082.57 1325,3212.18 1305,3232.18 1305,3549.06 1215,3639.06 1215,3975 ; 1375,2430 1375,2669.18 ; 1475,2430 1475,2559.18 1450,2584.18 1450,2890.15 1560,3000.15 1560,3052.78 1480,3132.78 1480,3454.69 1650.31,3625 1670,3625 ; 1505,2680 1505,2895.65 1590,2980.65 1590,3164.69 1650.31,3225 1670,3225 ; v1(1535,2605) 1535,2607.34 1652.66,2725 1670,2725 ; 1535,4080 1535,4083.51 1585.94,4134.45 1585.94,4153.83 1597.12,4165.01 1597.12,4287.53 1653.69,4344.09 1723.32,4344.09 1772.56,4294.86 1772.56,4099.68 1813.98,4058.27 2531.14,4058.27 2569.41,4096.53 2569.41,4294.86 2618.65,4344.09 2678.48,4344.09 2683.48,4339.09 2686.21,4339.09 2732.52,4292.78 2732.52,4290.05 2754.06,4268.52 2754.06,4089.37 2689.69,4025 2670,4025 ; 1535,4180 1420,4180 1215,3975 ; v1(1540,2530) 1692.28,2530 1724.85,2562.57 1861.72,2562.57 1939.29,2485 2308.99,2485 2378.99,2555 2695,2555 2754.06,2614.06 2754.06,2860.63 2689.69,2925 2670,2925 ; v1(1550,3285) 1555.74,3290.74 1555.74,3330.43 1650.31,3425 1670,3425 ; 1670,2825 1774.06,2825 1793.11,2805.95 1793.11,2740.49 1810.68,2722.91 1867.05,2722.91 1873.7,2716.26 1873.7,2621.3 1888.11,2606.89 1920.93,2606.89 1972.82,2555 v1(1985,2555) 1993.61,2546.39 2036.11,2546.39 2057.5,2525 2292.43,2525 2310,2542.57 2310,3048.23 2450.47,3188.7 2480,3188.7 ; v1(1766.82,3097.57) 1766.82,3029.83 1844.17,2952.48 1873.7,2952.48 ; v1(1807.5,3415) 1807.5,3482.09 1850.41,3525 2670,3525 ; 1873.7,3031.22 1880.35,3024.57 1909.88,3024.57 2190,2744.45 v1(2190,2605) ; 1873.7,3109.96 1844.17,3109.96 1755,3199.13 1755,3585.71 1880.81,3711.52 2240.96,3711.52 2654.44,4125 2670,4125 ; 1873.7,3188.7 1844.17,3188.7 1797.52,3235.35 1797.52,3299.45 1923.07,3425 2670,3425 ; v1(2180,3610) 2185.41,3610 2200.41,3625 2670,3625 ; 2460,3267.44 2476.06,3267.44 2480,3263.5 2480,3188.7 ; 2480,3109.96 2509.53,3109.96 2519.64,3099.85 2545.15,3099.85 2560.94,3084.06 2560.94,2887.98 2580,2868.93 2580,2795.32 2650.31,2725 2670,2725 ; 2670,2825 2666.21,2825 2610,2881.21 2610,2881.35 2590.94,2900.41 2590.94,3107.28 2509.53,3188.7 2480,3188.7 ; 3330,335 3334.18,335 3364.07,364.89 3364.07,369.07 3435,440 3525,440 ; 3350,2670 3354.18,2670 3384.07,2699.89 3384.07,2704.07 3455,2775 3545,2775 ; 3490,345 3626.39,208.61 3626.39,188.61 3755,60 4217.66,60 4242.19,35.47 4500.51,35.47 4610.71,145.67 4748.49,145.67 4784.15,110 v1(4870,110) ; 3490,545 3730,305 3982.28,305 4027.28,350 4230,350 ; 3510,2680 3646.39,2543.61 3646.39,2523.61 3775,2395 4237.66,2395 4262.19,2370.47 4520.51,2370.47 4630.71,2480.67 4768.49,2480.67 4804.15,2445 v1(4890,2445) ; 3510,2880 3750,2640 4002.28,2640 4047.28,2685 4250,2685 ; 3525,1830 3525,1840 3585,1900 3649.85,1900 3685,1864.85 3685,1812.43 3782.43,1715 4158.28,1715 4235,1791.72 4235,1908.28 4223.28,1920 4135,1920 4080,1865 4080,1850 ; 3545,4165 3545,4175 3605,4235 3669.85,4235 3705,4199.85 3705,4147.43 3802.43,4050 4178.28,4050 4255,4126.72 4255,4243.28 4243.28,4255 4155,4255 4100,4200 4100,4185 ; 3625,1830 3625,1705 3700,1630 4220,1630 ; 3645,4165 3645,4040 3720,3965 4240,3965 ; 3735,490 3745.74,479.26 3745.74,458.07 3746.38,457.43 3746.38,399.36 3788.17,357.57 3805.74,340 3967.78,340 4032.78,405 4200.15,405 4205.15,410 4254.85,410 4290,374.85 4290,242.19 4280,232.19 4280,85 ; 3755,2825 3765.74,2814.26 3765.74,2793.07 3766.38,2792.43 3766.38,2734.36 3808.17,2692.57 3825.74,2675 3987.78,2675 4052.78,2740 4220.15,2740 4225.15,2745 4274.85,2745 4310,2709.85 4310,2577.19 4300,2567.19 4300,2420 ; 3860,1855 3860,1870 3955,1965 4290,1965 4422.5,1832.5 ; 3880,4190 3880,4205 3975,4300 4310,4300 4442.5,4167.5 ; 3935,490 3937.5,487.5 3937.5,397.5 v1(3940,395) ; 3955,2825 3957.5,2822.5 3957.5,2732.5 v1(3960,2730) ; 3960,1855 3962.5,1852.5 4072.5,1852.5 ; 3980,4190 3982.5,4187.5 4092.5,4187.5 ; 4230,700 v1(4230,945) ; 4250,3035 v1(4250,3280) ; v1(4325,2102.5) 5622.5,2102.5 5700.91,2024.09 5703.64,2024.09 5767.52,1960.21 5767.52,1957.48 5794.06,1930.94 5794.06,1479.37 5694.68,1380 5675,1380 ; v1(4345,4437.5) 5642.5,4437.5 5720.91,4359.09 5723.64,4359.09 5787.52,4295.21 5787.52,4292.48 5814.06,4265.94 5814.06,3814.37 5714.68,3715 5695,3715 ; 4365,700 4365,702.57 4330,737.57 4330,867.18 4310,887.18 4310,1204.06 4220,1294.06 4220,1630 ; 4380,85 4380,324.18 ; 4385,3035 4385,3037.57 4350,3072.57 4350,3202.18 4330,3222.18 4330,3539.06 4240,3629.06 4240,3965 ; 4400,2420 4400,2659.18 ; 4480,85 4480,214.18 4455,239.18 4455,545.15 4565,655.15 4565,707.78 4485,787.78 4485,1109.68 4655.32,1280 4675,1280 ; 4500,2420 4500,2549.18 4475,2574.18 4475,2880.15 4585,2990.15 4585,3042.78 4505,3122.78 4505,3444.69 4675.32,3615 4695,3615 ; 4510,335 4510,550.65 4595,635.65 4595,819.68 4655.32,880 4675,880 ; 4530,2670 4530,2885.65 4615,2970.65 4615,3154.69 4675.32,3215 4695,3215 ; v1(4540,260) 4540,262.34 4657.66,380 4675,380 ; 4540,1735 4540,1738.51 4590.94,1789.45 4590.94,1808.83 4602.12,1820.01 4602.12,1942.53 4658.69,1999.09 4728.32,1999.09 4777.56,1949.86 4777.56,1754.68 4818.98,1713.27 5536.14,1713.27 5574.41,1751.53 5574.41,1949.86 5623.65,1999.09 5683.48,1999.09 5688.48,1994.09 5691.21,1994.09 5737.52,1947.78 5737.52,1945.05 5759.06,1923.52 5759.06,1744.37 5694.68,1680 5675,1680 ; 4540,1835 4425,1835 4220,1630 ; v1(4545,185) 4697.28,185 4729.85,217.57 4866.72,217.57 4944.29,140 5313.99,140 5383.99,210 5700,210 5759.06,269.06 5759.06,515.63 5694.68,580 5675,580 ; v1(4555,940) 4560.74,945.74 4560.74,985.43 4655.32,1080 4675,1080 ; v1(4560,2595) 4560,2597.34 4677.66,2715 4695,2715 ; 4560,4070 4560,4073.51 4610.94,4124.45 4610.94,4143.83 4622.12,4155.01 4622.12,4277.53 4678.69,4334.09 4748.32,4334.09 4797.56,4284.86 4797.56,4089.68 4838.98,4048.27 5556.14,4048.27 5594.41,4086.53 5594.41,4284.86 5643.65,4334.09 5703.48,4334.09 5708.48,4329.09 5711.21,4329.09 5757.52,4282.78 5757.52,4280.05 5779.06,4258.52 5779.06,4079.37 5714.68,4015 5695,4015 ; 4560,4170 4445,4170 4240,3965 ; v1(4565,2520) 4717.28,2520 4749.85,2552.57 4886.72,2552.57 4964.29,2475 5333.99,2475 5403.99,2545 5720,2545 5779.06,2604.06 5779.06,2850.63 5714.68,2915 5695,2915 ; v1(4575,3275) 4580.74,3280.74 4580.74,3320.43 4675.32,3415 4695,3415 ; 4675,480 4779.06,480 4798.11,460.95 4798.11,395.49 4815.68,377.91 4872.05,377.91 4878.7,371.26 4878.7,276.3 4893.11,261.89 4925.93,261.89 4977.82,210 v1(4990,210) 4998.61,201.39 5041.11,201.39 5062.5,180 5297.43,180 5315,197.57 5315,703.23 5455.47,843.7 5485,843.7 ; 4695,2815 4799.06,2815 4818.11,2795.95 4818.11,2730.49 4835.68,2712.91 4892.05,2712.91 4898.7,2706.26 4898.7,2611.3 4913.11,2596.89 4945.93,2596.89 4997.82,2545 v1(5010,2545) 5018.61,2536.39 5061.11,2536.39 5082.5,2515 5317.43,2515 5335,2532.57 5335,3038.23 5475.47,3178.7 5505,3178.7 ; v1(4771.82,752.57) 4771.82,684.83 4849.17,607.48 4878.7,607.48 ; v1(4791.82,3087.57) 4791.82,3019.83 4869.17,2942.48 4898.7,2942.48 ; v1(4812.5,1070) 4812.5,1137.09 4855.41,1180 5675,1180 ; v1(4832.5,3405) 4832.5,3472.09 4875.41,3515 5695,3515 ; 4878.7,686.22 4885.35,679.57 4914.88,679.57 5195,399.45 v1(5195,260) ; 4878.7,764.96 4849.17,764.96 4760,854.13 4760,1240.71 4885.81,1366.52 5245.96,1366.52 5659.44,1780 5675,1780 ; 4878.7,843.7 4849.17,843.7 4802.52,890.35 4802.52,954.45 4928.07,1080 5675,1080 ; 4898.7,3021.22 4905.35,3014.57 4934.88,3014.57 5215,2734.45 v1(5215,2595) ; 4898.7,3099.96 4869.17,3099.96 4780,3189.13 4780,3575.71 4905.81,3701.52 5265.96,3701.52 5679.44,4115 5695,4115 ; 4898.7,3178.7 4869.17,3178.7 4822.52,3225.35 4822.52,3289.45 4948.07,3415 5695,3415 ; v1(5185,1265) 5190.41,1265 5205.41,1280 5675,1280 ; v1(5205,3600) 5210.41,3600 5225.41,3615 5695,3615 ; 5465,922.44 5481.06,922.44 5485,918.5 5485,843.7 ; 5485,764.96 5514.53,764.96 5524.64,754.85 5550.15,754.85 5565.94,739.06 5565.94,542.98 5585,523.93 5585,450.32 5655.32,380 5675,380 ; 5485,3257.44 5501.06,3257.44 5505,3253.5 5505,3178.7 ; 5505,3099.96 5534.53,3099.96 5544.64,3089.85 5570.15,3089.85 5585.94,3074.06 5585.94,2877.98 5605,2858.93 5605,2785.32 5675.32,2715 5695,2715 ; 5675,480 5671.21,480 5615,536.21 5615,536.35 5595.94,555.41 5595.94,762.28 5514.53,843.7 5485,843.7 ; 5695,2815 5691.21,2815 5635,2871.21 5635,2871.35 5615.94,2890.41 5615.94,3097.28 5534.53,3178.7 5505,3178.7
  Bottom Layer w30: 100,3105 20.47,3184.53 20.47,3695.47 115,3790 ; 100,3205 100,3392.96 60.47,3432.49 60.47,3635.47 115,3690 ; 115,3590 275,3750 v1(275,4075) ; 520,4175 522.5,4172.5 522.5,4067.5 v1(525,4065) 525,3441.82 464.1,3380.93 464.1,3260.9 625,3100 ; v1(625,3005) 625,3115 717.43,3207.43 725.84,3207.43 743.41,3225 755,3225 ; 730,2835 735,2835 855,2955 855,3225 ; 955,3225 1210,2970 1445,2970 1505,3030 ; 1873.7,3267.44 2460,3267.44 ; 3105,760 3025.47,839.53 3025.47,1350.47 3120,1445 ; 3105,860 3105,1047.96 3065.47,1087.49 3065.47,1290.47 3120,1345 ; 3120,1245 3280,1405 v1(3280,1730) ; 3125,3095 3045.47,3174.53 3045.47,3685.47 3140,3780 ; 3125,3195 3125,3382.96 3085.47,3422.49 3085.47,3625.47 3140,3680 ; 3140,3580 3300,3740 v1(3300,4065) ; 3525,1830 3527.5,1827.5 3527.5,1722.5 v1(3530,1720) 3530,1096.82 3469.1,1035.93 3469.1,915.9 3630,755 ; 3545,4165 3547.5,4162.5 3547.5,4057.5 v1(3550,4055) 3550,3431.82 3489.1,3370.93 3489.1,3250.9 3650,3090 ; v1(3630,660) 3630,770 3722.43,862.43 3730.84,862.43 3748.41,880 3760,880 ; v1(3650,2995) 3650,3105 3742.43,3197.43 3750.84,3197.43 3768.41,3215 3780,3215 ; 3735,490 3740,490 3860,610 3860,880 ; 3755,2825 3760,2825 3880,2945 3880,3215 ; 3960,880 4215,625 4450,625 4510,685 ; 3980,3215 4235,2960 4470,2960 4530,3020 ; 4878.7,922.44 5465,922.44 ; 4898.7,3257.44 5485,3257.44
  Bottom Layer w50: 105,4195 103.27,4193.27 103.27,4090.82 50.47,4038.02 50.47,3956.98 115,3892.45 115,3890 ; 110,2745 112.45,2745 177.45,2680 325,2680 ; 110,2845 114.53,2849.53 169.53,2849.53 200,2880 325,2880 325,3280 115,3490 ; 110.47,3520 140.46,3520 420,3799.54 420,4175 435,4190 435,4206.07 518.93,4290 663.49,4290 737,4216.49 737,4183.51 810.5,4110 1105,4110 1175,4180 1175,4195 ; 115,3990 205,4080 205,4195 ; v1(960,4385) 964.06,4385 974.06,4375 1300,4375 1390.47,4284.53 1415.47,4284.53 1420,4280 1535,4280 ; 1030,2835 1233.49,2835 1356.17,2712.32 1356.17,2698.83 1360,2695 ; v1(1310,3970) 1314.06,3970 1322.33,3978.27 1418.27,3978.27 1420,3980 1535,3980 ; 1420,4080 1535,4080 ; 3110,1850 3108.27,1848.27 3108.27,1745.82 3055.47,1693.02 3055.47,1611.98 3120,1547.45 3120,1545 ; 3115,400 3117.45,400 3182.45,335 3330,335 ; 3115,500 3119.53,504.53 3174.53,504.53 3205,535 3330,535 3330,935 3120,1145 ; 3115.47,1175 3145.46,1175 3425,1454.54 3425,1830 3440,1845 3440,1861.07 3523.93,1945 3668.49,1945 3742,1871.49 3742,1838.51 3815.5,1765 4110,1765 4180,1835 4180,1850 ; 3120,1645 3210,1735 3210,1850 ; 3130,4185 3128.27,4183.27 3128.27,4080.82 3075.47,4028.02 3075.47,3946.98 3140,3882.45 3140,3880 ; 3135,2735 3137.45,2735 3202.45,2670 3350,2670 ; 3135,2835 3139.53,2839.53 3194.53,2839.53 3225,2870 3350,2870 3350,3270 3140,3480 ; 3135.47,3510 3165.46,3510 3445,3789.54 3445,4165 3460,4180 3460,4196.07 3543.93,4280 3688.49,4280 3762,4206.49 3762,4173.51 3835.5,4100 4130,4100 4200,4170 4200,4185 ; 3140,3980 3230,4070 3230,4185 ; v1(3965,2040) 3969.06,2040 3979.06,2030 4305,2030 4395.47,1939.53 4420.47,1939.53 4425,1935 4540,1935 ; v1(3985,4375) 3989.06,4375 3999.06,4365 4325,4365 4415.47,4274.53 4440.47,4274.53 4445,4270 4560,4270 ; 4035,490 4238.49,490 4361.17,367.32 4361.17,353.83 4365,350 ; 4055,2825 4258.49,2825 4381.17,2702.32 4381.17,2688.83 4385,2685 ; v1(4315,1625) 4319.06,1625 4327.33,1633.27 4423.27,1633.27 4425,1635 4540,1635 ; v1(4335,3960) 4339.06,3960 4347.33,3968.27 4443.27,3968.27 4445,3970 4560,3970 ; 4425,1735 4540,1735 ; 4445,4070 4560,4070